# KiCad board data-center-rdimm-ddr5-tester.kicad_pcb (continued)
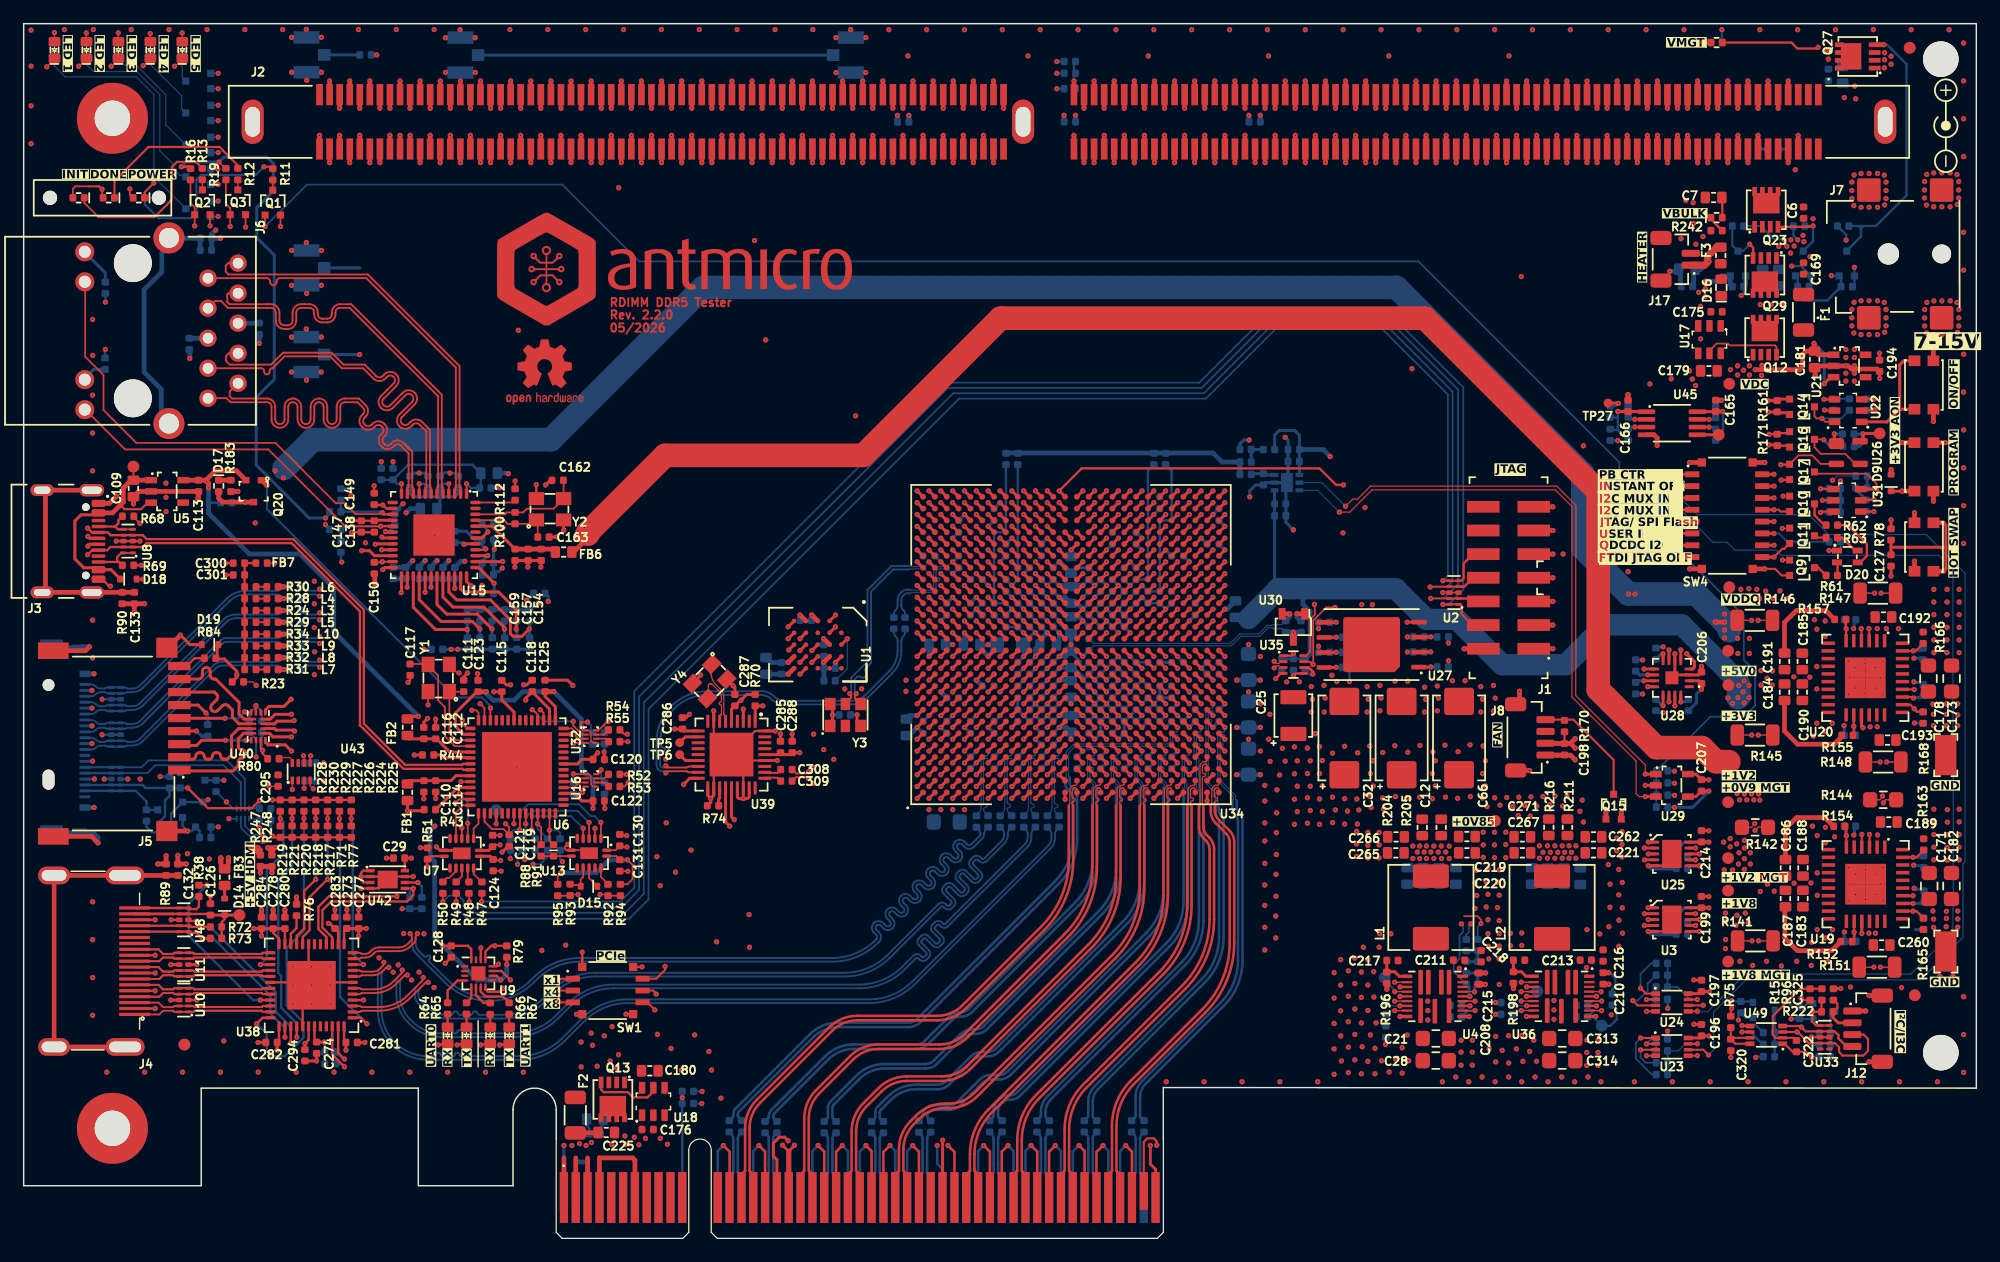
[diagram p0: board, top side]
## Routing (per net, layer and track width the routed paths; a pad name or vN(x,y) marks a point on that pad's centre or on a via; arc(x,y) is an arc through that point) (continued)
+1V2: length 148.7
  Top w0.1: 155.63,40.28 NT16.2
  Top w0.15: v1(32.4,55.05) 32.42,55.06
  Top w0.177: U15.23 31.16,57.2 v1(30.3,57.2) 30.25,57.15 29.62,57.15
  Top w0.2: 31.24,61.7 30.66,61.7 30.35,62.01 29.71,62.01 29.62,62.1
  Top w0.256: 34.43,56.04 34.43,55.14 ; U15.39 39.2,57.72 v1(39.21,57.73) ; U15.18 30.62,59.71 v1(30.58,59.76) ; 32.42,55.06 32.42,56.03
  Top w0.4: 47.68,59.53 47.68,59.24 46.52,58.08 46.52,58.03 ; 20.97,32.67 v1(20.62,33.02) 21.25,33.02 v1(21.28,33.05) 20.97,32.75 20.97,32.67 ; 20.97,32.67 R248.2
  Top w2: 144.09,40.3 143,40.3 141.81,41.49 137.96,41.49 133.05,46.4 133.05,63.15 118.4,77.8 82.55,77.8 70.95,66.2 54.2,66.2 47.68,59.68 47.68,59.53
  Bottom w0.256: v1(32.4,55.05) 32.42,55.07 32.42,55.61 32.27,55.76 ; 34.43,55.76 34.43,55.06 v1(34.42,55.05) ; 38.74,56.1 38.74,57.26 v1(39.21,57.73) ; v1(30.58,59.76) 30.85,59.76 31.36,60.27
  Bottom w0.4: 31.23,55.76 32.27,55.76 ; 33.43,55.76 34.43,55.76 ; FB4.1 32.66,61.69 v1(32.32,61.35)
  vias: v1(30.35,62) v1(46.85,59.8) v1(46.85,59.2) v1(47.4,60.1) v1(47.4,59.55) v1(47.85,60.55)
+1V2_MGTAVTT: length 22.4
  Top w0.256: U34.Y5 v1(95.5,41.2) ; U34.C7 v1(77.5,43.2) ; v1(82.5,41.2) U34.H5 ; U34.E7 v1(79.5,43.2) ; v1(100.5,43.2) U34.AE7 ; U34.P5 v1(89.5,41.2) ; U34.K5 v1(84.5,41.2) ; v1(99.5,44.2) U34.AD8 ; U34.G7 v1(81.5,43.2) ; U34.V5 v1(93.5,41.2) ; U34.AB5 v1(97.5,41.2) ; U34.F5 v1(80.5,41.2) ; U34.T5 v1(91.5,41.2) ; U34.A7 v1(75.5,43.2) ; U34.M5 v1(86.5,41.2)
  Bottom w0.256: v1(80.5,41.2) 80,40.7 C83.2 ; C310.2 80,42.7 v1(79.5,43.2) ; v1(82.5,41.2) 82,40.7 C80.2 ; C72.1 84.5,41.2 v1(84.5,41.2) ; v1(100.5,43.2) 100.5,43.2 C108.2 ; C105.2 95,40.7 v1(95.5,41.2) ; v1(99.5,44.2) 99.5,44.2 U34.AD8 ; C107.2 86,40.7 v1(86.5,41.2) ; C70.2 82,42.7 v1(81.5,43.2) ; C167.2 v1(89.5,41.2) ; C311.2 77.5,43.2 v1(77.5,43.2) ; v1(93.5,41.2) 93,40.7 C104.2 ; C312.2 75.5,43.2 v1(75.5,43.2) ; C103.1 v1(91.5,41.2) ; v1(97.5,41.2) 97,40.7 C106.2
  Bottom w0.4: C14.1 74.8,42.5 v1(75.5,43.2)
  vias: v1(143.65,33.5) v1(143.7,31.15) v1(144.2,33.8) v1(144.2,33.1) v1(144.4,31.15) v1(144.75,33.35) v1(144.95,32.6) v1(144.9,31.65) v1(145.4,33.65) v1(145.4,33) v1(145.4,32.1) v1(145.4,31.2) v1(145.9,32.6) v1(145.9,31.65)
+1V8: length 137.9
  Top w0.1: 40.31,31.97 40.31,31.95 v1(40.31,31.95) ; R23.2 19.35,47.05 v1(19.65,46.75) ; U43.3 v1(23.7,38.05) ; R19.1 17.04,90.46 ; NT9.2 144.83,25.15 144.83,25.15 ; 16.65,91 v1(16.5,91)
  Top w0.114: 17.04,90.46 v1(16.5,91)
  Top w0.15: 39.67,31.97 40.31,31.97 ; 36.42,54.96 v1(36.42,54.95)
  Top w0.177: U40.15 20.03,41.42 v1(20.2,41.25) 20.2,40.97 R80.2
  Top w0.182: 34.12,33.02 33.54,33.02 v1(33.53,33.03) ; R15.2 150.36,20.14 v1(150.2,20.3) ; 150.86,20.2 150.92,20.14
  Top w0.2: 29.62,60.68 v1(27.69,60.68) ; 38.1,58.21 38.96,58.21 v1(39.04,58.29)
  Top w0.256: U34.AD12 v1(99.5,48.2) ; U34.C20 v1(77.5,57.2) ; U34.M18 v1(86.5,55.2) ; U27.8 110.89,48.27 v1(110.9,48.28) ; v1(13.33,90.6) 13.95,90.6 R16.1 ; U34.P18 v1(89.5,55.2) ; U34.N14 v1(87.5,51.2) ; U34.G18 v1(81.5,55.2) ; 29.62,60.68 29.66,60.71 U15.16 ; U34.AA11 v1(96.5,47.2) ; U34.Y9 v1(95.5,45.2) ; U34.N18 v1(87.5,55.2) ; 39.67,32.03 39.4,32.31 38.52,32.31 ; U34.D17 v1(78.5,54.2) ; 36.42,56.03 36.42,54.96 ; U34.R18 v1(90.5,55.2) ; U34.T18 v1(91.5,55.2)
  Top w0.4: v1(121.72,49.85) J1.2 ; U30.1 107.6,52.8 v1(107.59,52.81) ; 65.1,49.2 v1(64.6,48.7) ; U1.B4 v1(67.6,48.7) ; U1.D1 v1(65.6,52.7)
  In2.Cu w0.256: v1(150.2,20.3) 149.13,21.38 145.7,21.38 143.8,23.27 v1(143.8,24.5)
  In6.Cu w0.4: v1(134.69,67.46) 134.69,62.47 v1(130.08,57.86)
  Bottom w0.1: v1(23.7,38.05) 23.7,38.63 C296.2 ; 40.47,60.1 v1(40.5,60.1)
  Bottom w0.182: v1(20.2,41.25) 20.12,41.32 C298.2 ; 111.43,48.27 111.43,48.4 112.4,49.37 112.4,49.55
  Bottom w0.198: v1(134.69,67.46) 134.69,67.45 134.06,67.45
  Bottom w0.2: v1(25.5,60.35) 25.5,60.28 25.84,59.94 ; v1(38.74,55.2) R110.2 ; v1(25.5,60.9) 25.84,61.24 25.84,61.44
  Bottom w0.201: R21.1 v1(95.5,45.2)
  Bottom w0.256: v1(91.5,55.2) 91.5,55.2 C30.2 90.5,55.2 v1(90.5,55.2) 90,55.7 C68.2 89.5,55.2 v1(89.5,55.2) ; 96.01,44.72 95.98,44.72 v1(95.5,45.2) 95.5,45.2 C18.2 ; C89.2 81,55.7 v1(81.5,55.2) ; R17.2 R21.1 96,45.7 C76.2 96,46.7 v1(96.5,47.2) ; v1(44.32,53.85) 44.32,54.26 44.05,54.53 ; 37.5,53.16 37.53,53.13 42.75,53.13 43.31,53.7 v1(43.5,53.7) ; v1(87.5,55.2) 87.5,55.2 87,55.7 ; 40.47,60.1 40.12,60.45 39.71,60.45 ; v1(77.5,57.2) 77,57.7 C87.2 ; R14.2 v1(99.5,48.2) C15.2 ; v1(39.04,58.29) 38.74,58.58 38.74,59.05 38.15,59.05 37.41,59.79 36.43,59.79 ; v1(25.5,60.9) 24.13,60.9 19.65,65.38 19.65,71.1 21.17,72.62 21.17,83.12 19.7,84.6 19.7,87.15 21.1,88.55 21.1,90.87 20.57,91.4 16.9,91.4 v1(16.5,91) 13.72,91 v1(13.33,90.6) ; C77.2 86.5,55.2 v1(86.5,55.2) 86.5,55.2 C27.2 ; 111.43,48.27 111.42,48.28 v1(110.9,48.28) ; v1(87.5,51.2) 87.5,51.2 C81.2 ; v1(36.42,54.95) 36.43,54.96 36.43,55.76 ; C91.2 78.5,54.2 v1(78.5,54.2) ; 120.4,50.85 v1(120.4,50.33) ; 120.4,48.31 v1(120.4,48.83) ; 34.44,49.8 v1(33.82,49.8)
  Bottom w0.4: R1.1 67.6,48.22 67.6,49.22 ; v1(87.5,55.2) 88.4,55.2 C11.1 88.6,55.2 v1(89.5,55.2) ; C204.2 107.89,52.21 107.59,52.51 v1(107.59,52.81) ; 67.62,48.2 67.62,47.15 ; C1.1 63.14,48.68 64.03,48.68 64.05,48.7 v1(64.6,48.7) ; v1(78.5,50.2) C73.1 ; 35.43,55.76 36.43,55.76 ; 65.62,52.26 65.6,52.28 v1(65.6,52.7) ; v1(87.5,51.2) 87.5,50.45 87.22,50.17
  vias: v1(143.8,27.51) v1(143.8,26.78) v1(143.81,25.26) v1(144.7,26.47) v1(144.78,27.32) v1(145.47,27.5) v1(145.74,26.69)
+1V8_MGTVCCAUX: length 4.2
  Top w0.1: R151.2 155.11,22.92 NT12.2
  Top w0.256: U34.U7 v1(92.5,43.2) ; U34.R7 v1(90.5,43.2)
  Bottom w0.256: C96.2 90,42.7 v1(90.5,43.2) ; v1(92.5,43.2) C97.1
  Bottom w0.4: v1(88.5,45.2) C31.1
  vias: v1(145.03,23.42) v1(146.1,23.07) v1(147.28,23.42) v1(148.53,23.02) v1(149.82,23.42) v1(151.05,23.07) v1(152.47,23.42)
+3V3: length 202
  Top w0.1: v1(24.25,40.8) 24.2,40.75 U43.5 ; 13.4,99.72 12.78,99.1 v1(12.75,99.1) ; v1(10.1,99.15) 10.13,99.15 10.7,99.72 ; v1(23.65,40.8) 23.7,40.75 U43.6 ; v1(21.21,57.09) FB7.1 ; R145.2 144.8,42.55 NT13.2 ; 8,99.72 8,99.7 v1(7.4,99.1)
  Top w0.15: U16.8 48.56,39.24 48.79,39.48 v1(48.79,39.62) ; v1(4.65,99.1) 4.68,99.1 5.31,99.72 ; 5.48,88.94 4.36,88.94 4.16,88.74 4.16,88.02 4.09,87.95 ; 6.64,87.97 v1(6.64,88.69) ; v1(1.95,99.05) 2.61,99.7 2.61,99.72 ; v1(49.4,43.7) 49.31,43.7 48.56,42.94 U32.8 ; 8.97,88.7 8.97,88.25 D1.2
  Top w0.182: U35.1 107.09,49.26 107.29,49.46 ; v1(151.15,19.17) 151.17,19.15 R222.2 ; R222.2 151.92,20.11 R96.2 ; R222.2 151.15,19.15 151.15,18.3 151.45,18 U33.1 U33.10 ; v1(6.64,88.69) 6.39,88.94 5.48,88.94 ; v1(8.97,88.72) 8.97,88.72 8.97,88.7 ; v1(144.32,19.45) 144.25,19.38 R75.2
  Top w0.201: v1(21.03,37.07) R225.2 ; v1(32.77,32.15) C29.1 U42.8 ; C273.1 27.08,25.97 U38.13 ; C274.1 24.58,16.77 U38.43
  Top w0.256: v1(28.96,26.2) C277.2 ; C277.2 C273.1 ; C277.2 v1(28.31,25.57) ; R70.2 61.09,45.98 60.62,45.51 v1(60.62,45.5) 60.58,45.5 C287.1 59.81,44.73 U39.5 ; Y3.6 68.35,44.97 v1(68.35,44.25) 68.35,43.53 Y3.1 ; v1(55.02,43.07) C286.1 55.84,42.9 U39.10 ; v1(157.79,60.73) 157.79,60 ; U34.Y14 v1(95.5,51.2) ; 13.16,42.89 13.18,42.9 v1(14.6,42.9) ; U34.H10 v1(82.5,46.2) ; U39.32 64.78,40.9 C288.2 v1(65.58,41.07) ; v1(98.5,52.2) U34.AC15 ; U34.E9 v1(79.5,45.2) ; U45.8 142.97,69.89 C165.1 v1(143.55,69.9) ; D20.1 152.55,58.15 v1(152.55,58.15) ; v1(25.41,16.59) C274.1 ; U34.E14 v1(79.5,51.2) ; U34.H15 v1(82.5,52.2)
  In2.Cu w0.256: 151.08,19.1 v1(151.15,19.17)
  In6.Cu w0.256: 144.32,21.1 144.32,20.45 144.38,20.4 146.61,20.4 147.83,19.17 151.15,19.17 v1(151.15,19.17)
  In6.Cu w0.4: 144.32,19.9 144.32,20.85 ; 144.32,19.9 144.32,19.92 144.8,20.4 144.35,20.85 144.32,20.85 ; 144.32,19.9 144.32,16.07 142.75,14.5 141.05,14.5 138.93,16.62 v1(138.93,19.45) ; 144.32,20.85 144.32,24.53 146.26,26.47 146.26,27.61 143.12,30.75 143.12,44.82 v1(144,45.7)
  Bottom w0.1: C297.2 23.72,40.73 v1(23.65,40.8)
  Bottom w0.15: v1(49.4,43.7) 49.08,43.38 C236.2 ; 49.08,38.53 48.79,38.82 v1(48.79,39.62) ; U44.5 17.69,36.34 R86.2 ; v1(152.55,58.15) 153.35,58.15 153.52,58.32 R87.2 ; U44.1 19.8,35.48 C82.1 v1(19.93,34.71)
  Bottom w0.177: 138.91,20.2 138.91,19.47 v1(138.93,19.45) ; v1(57.3,11.4) 56.61,11.4 ; 138.91,16.85 v1(138.91,17.52)
  Bottom w0.182: v1(144.32,20.1) 144.4,20.03 146.04,20.03 Q22.2 ; C16.2 82,46.7 ; R39.1 R20.1
  Bottom w0.198: 142.97,67.46 143.59,68.08 143.59,69.86 v1(143.55,69.9) 143.4,69.9 142.97,70.33 ; R244.2 154,84.86 v1(154,84.4) ; R25.2 v1(87.3,99.5)
  Bottom w0.2: v1(6.9,75.15) 6.9,75.15 6.87,75.15 6.87,74.44 ; v1(6.91,79.16) 6.91,79.84
  Bottom w0.201: v1(25.41,16.59) 25.44,16.56 R236.2 ; R239.2 R234.2 v1(31.98,27.87)
  Bottom w0.256: v1(82.5,52.2) 82.5,52.2 C23.2 ; C164.2 v1(68.35,44.25) ; v1(14.6,42.9) 15.03,42.47 15.55,42.47 ; v1(98.5,52.2) 98.5,52.2 C95.2 ; C17.2 79,45.7 ; 105.97,54.92 105.7,55.2 C329.2 C328.2 U12.4
  Bottom w0.4: 108.1,54.92 108.1,53.6 108.7,53 108.7,49.41 R20.1 ; 40.22,64.69 40.91,64.69 v1(40.95,64.65) ; C22.1 79.5,50.27 v1(79.5,51.2) ; 107.29,49.46 C223.2
  Bottom w1.8: 103.5,52.4 105.97,54.88 105.97,54.92 115.94,54.92 118.53,52.33 121.11,52.33 124.94,48.5 130.3,48.5 133.68,51.88 140.1,51.88 144.85,47.12 v1(144.85,45.72)
  Bottom w2: v1(144.85,45.72) 144.93,45.81 144.93,46.79
  vias: v1(13.84,32.52) v1(15.7,32.07) v1(16.91,16.69) v1(17.13,36.9) v1(19.56,60.49) v1(43.79,24.34) v1(45.8,24.79) v1(66.75,42.62) v1(67.6,41.32) v1(68.45,40.5) v1(107.3,49.45) v1(144.4,45.22) v1(144.93,46.75) v1(145.3,46.2) v1(145.38,47.12) v1(145.38,45.27) v1(145.8,46.75) v1(145.8,45.72) v1(157.25,100.25) v1(157.25,99.65) v1(157.22,98.97) v1(157.8,99.95) v1(157.8,99.27)
+3V3_AON: length 264.1
  Top w0.15: 45.12,29.94 45.12,30.65 v1(45.37,30.9) ; 49.28,32.32 50.07,32.32 50.38,32.02 51.01,32.02 v1(51.03,32) 51.45,31.58 51.45,30.38 51.01,29.94 50.42,29.94
  Top w0.182: U22.3 155.35,70.96 v1(156.37,70.96)
  Top w0.198: U31.1 155.24,61.45 v1(156.34,61.45)
  Top w0.256: v1(142.4,37.81) 142.39,37.82 C207.1 141.31,37.35 140.62,37.35 ; v1(142.4,27.94) 142.39,27.95 C199.1 ; 141.77,27.96 141.76,27.95 U3.10 ; v1(142.42,20.85) 142.41,20.87 141.77,20.87 141.6,20.69 U24.8 ; U25.10 141.76,33.5 C214.1 142.39,33.51 v1(142.4,33.5) ; C206.1 141.54,47.14 U28.2 ; U23.8 141.6,16.94 141.77,17.12 142.41,17.12 v1(142.42,17.1) ; 156.82,74.26 156.82,74.83 v1(156.82,74.84) ; U26.4 155.42,67.65 v1(155.42,68.03) 155.45,68.05 TP19.1
  Top w0.4: v1(141.77,46.43) 141.77,46.91 C206.1
  In6.Cu w0.4: v1(141.77,46.43) 141.28,46.43 141.25,46.4 ; 142.25,32.97 142.25,31.05 141.87,30.67 141.87,27.92 ; 142.25,32.97 142.25,33.12 141.87,33.5 ; 142.25,32.97 142.25,33.35 v1(142.4,33.5) 141.87,33.5 ; 155.95,71.39 v1(156.37,70.96) 155.89,70.48 ; 155.95,71.39 155.95,70.54 155.89,70.48 ; 155.95,71.39 155.95,73.97 v1(156.82,74.84) ; 142.85,20.85 142.85,20.25 142.45,19.85 142.45,17.55 ; 142.85,20.85 v1(142.42,20.85) ; 142.85,20.85 142.85,26.6 141.87,27.58 141.87,27.92 ; 141.87,27.92 141.89,27.94 v1(142.4,27.94) ; 49.32,30.9 65.82,14.4 107.08,14.4 107.11,14.43 111.61,14.43 111.73,14.55 113.26,14.55 113.37,14.44 114.9,14.44 115.08,14.61 116.42,14.61 116.55,14.49 118.32,14.49 121.2,17.38 122.67,17.38 123.31,16.73 123.31,14.99 124.03,14.26 128.7,14.26 131.9,17.46 137.5,17.46 137.8,17.76 137.8,19.35 138.53,20.07 139.57,20.07 140.38,19.27 140.38,17.55 140.85,17.07 141.88,17.07 ; 49.32,30.9 v1(45.37,30.9) ; 49.32,30.9 50.42,32 v1(51.03,32) ; v1(155.42,68.03) 154.9,68.03 154.9,68.02 ; 153.96,66.57 153.96,66.56 141,66.56 137.77,63.33 v1(137.77,62.6) ; 153.96,66.57 154.9,67.5 154.9,68.02 ; 153.96,66.57 153.96,63.61 155.69,61.89 ; 155.89,70.48 154.9,69.49 154.9,68.02 ; 141.87,33.5 141.87,36.47 ; v1(153.52,64.05) 153.53,64.05 153.96,64.05 ; v1(156.34,61.45) 155.69,61.45 155.69,61.89 ; 141.87,37.83 141.89,37.81 v1(142.4,37.81) 142.38,37.83 141.87,37.83 ; 141.87,37.83 141.87,45.03 141.25,45.65 141.25,46.4 ; 141.87,37.83 141.87,36.47 ; 141.87,36.47 141.84,36.44 v1(139.49,36.44) ; 142.45,17.55 141.97,17.07 141.88,17.07 ; 142.45,17.55 142.45,17.13 v1(142.42,17.1) 142.4,17.07 141.88,17.07 ; 141.25,46.4 141.25,51.7 143.05,53.5 149.38,53.5 149.88,54 149.88,56.67 154.25,61.05 155.4,61.05 155.69,61.34 155.69,61.89
  Bottom w0.182: v1(156.34,61.45) 156.32,61.46 155.69,61.46 ; v1(139.49,36.44) 139.46,36.46 138.92,36.46 ; v1(156.37,70.96) 156.36,70.97
  Bottom w0.256: v1(139.49,36.44) 141.03,36.44 v1(142.4,37.81) ; R143.2 139.64,27.26 140.32,27.95 142.4,27.95 ; R173.2 141.35,45.29 141.35,46.01 v1(141.77,46.43) ; 153.52,61.4 v1(153.52,64.05) ; R210.2 139.64,32.81 140.32,33.5 v1(142.4,33.5) ; 156.36,70.97 155.72,70.97 ; 154.66,68 155.4,68 v1(155.42,68.03) 155.42,67.25 155.12,66.95 154.68,66.95
  Bottom w0.4: v1(45.37,30.9) 48.37,30.9 49.47,32 v1(51.03,32) ; v1(137.77,62.6) 138.29,62.6 138.29,61.55 138.29,61.55
+5V: length 203.6
  Top w0.1: NT14.2 144.78,52.25 144.78,52.25
  Top w0.177: 130.2,42.82 130.2,41.83
  Top w0.4: 128.53,41.86 129.54,41.86 129.55,41.85 ; 130.7,41.85 v1(131.1,41.45) ; 130.7,41.85 v1(131.1,42.25) ; 130.7,41.85 129.55,41.85 ; 130.07,41.85 129.55,41.85 ; v1(142.92,52.1) v1(143.72,52.1)
  Top w0.45: v1(17.3,32.17) 17.3,31.75 ; v1(16.66,32.17) 16.66,31.75
  In2.Cu w2: v1(136.15,54.47) 131.1,49.42 131.1,42.25
  In8.Cu w0.256: 17,32.5 17,32.47 v1(17.3,32.17) 17.22,32.25 16.74,32.25 v1(16.66,32.17) 16.67,32.17 17,32.5 ; 17,32.5 17,34.15 17.83,34.98 17.83,43.2 17.6,43.42 17.6,47.45 16.8,48.25 16.8,51.85 21.66,56.71 21.66,57.28 21.3,57.64 21.3,64.25 21.25,64.3 ; v1(21.95,64.3) 21.25,64.3 ; 21.25,64.3 v1(21.25,64.9)
  Bottom w2: 22.01,65.1 24.44,67.52 44.55,67.52 57.43,80.4 116,80.4 131.75,64.65 131.75,58.33 v1(135.6,54.47) 141.35,54.47 v1(143.72,52.1) 143.75,52.1 144.12,51.72 144.12,51.38
  vias: v1(143.72,52.78) v1(143.72,51.43) v1(143.72,50.75) v1(144.82,50.73) v1(144.85,49.45) v1(145.82,50.73) v1(145.82,49.45)
+12V: length 20.3
  Top w0.4: J10.B1 45.65,6.8 ; J10.A2 46.65,6.8 ; 48.51,8.91 48.5,8.92 46.75,8.92 46.61,9.06 ; J10.A3 47.65,6.8
  Bottom w0.201: 47.79,8.82 47.79,9.31 47.57,9.52 C224.2
  Bottom w0.4: J10.A3 47.65,6.45 46.7,6.45 46.65,6.4 J10.A2
  vias: v1(46.32,7.85) v1(46.97,8) v1(47.52,7.85) v1(47.97,8.1)
/DDR5 RDIMM/VIN_BULK: length 1.7
  Top w0.201: C7.2 143.53,87.97 143.53,86.3
  vias: v1(149.7,90.35)
/DDR5 RDIMM/VIN_MGMT: length 8.3
  Top w0.201: v1(151.62,100.7) 151.53,100.6 149.88,100.6 149.38,101.1 143.53,101.1
  vias: v1(152.38,100.42) v1(152.5,99.7)
/DDR5 RDIMM/VSS_DET1: length 3.6
  Top w0.38: J2.75 v1(88.75,97.85)
  Bottom w0.198: R27.1 88.75,97.33 v1(88.75,97.85) 88.75,99.37 R25.1
/Debug FTDI + VNA/VBUS: length 20.1
  Top w0.15: C109.2 9.27,64.1 TP22.1
  Top w0.182: 8.22,62.05 8.22,61.95 8.52,61.65 9.92,61.65 10.48,62.2 U5.3
  Top w0.256: D18.1 8.14,55.77 7.37,56.54 6.33,56.54 6.16,56.7 5.08,56.7 4.32,57.45 4.32,60.65 4.85,61.17 6.16,61.17 J3.A4
  Top w0.4: 6.66,61.33 7.51,61.33 8.42,62.25 8.42,63.45 9.07,64.1 C109.2 10.77,64.1 U5.1
/Ethernet/AVDDH: length 14.4
  Top w0.15: 37.43,62.89 v1(37.43,63.79) ; 31.93,62.89 v1(31.93,63.79)
  Bottom w0.2: v1(37.43,63.79) 37.77,63.44 38.53,63.44 38.62,63.54 FB5.2 37.9,65.41 32.49,65.41 31.21,64.13 ; 30.21,64.13 31.21,64.13 ; 31.21,64.13 31.55,63.79 v1(31.93,63.79)
/Ethernet/AVDDL: length 11.6
  Top w0.15: 35.93,62.89 v1(35.93,63.79) ; 33.43,62.89 v1(33.43,63.79)
  Bottom w0.2: 34.15,63.48 33.84,63.79 v1(33.43,63.79) ; 35.19,63.48 35.5,63.79 v1(35.93,63.79)
  Bottom w0.256: 35.22,62.7 36.42,62.7 36.72,63 36.72,63.47 ; 35.22,62.7 35.02,62.7 ; 35.22,62.7 35.19,62.74 35.19,63.48 ; 34.16,63.48 34.16,62.74 34.12,62.7 ; 35.1,61.69 35.17,61.77 35.17,62.7 35.02,62.7 ; 32.62,63.48 32.62,63 32.92,62.7 34.12,62.7 ; 35.02,62.7 34.12,62.7
/Ethernet/AVDDL_PLL: length 7.7
  Top w0.2: FB6.2 44.68,58.28
  Top w0.256: 41.53,58.34 41.45,58.34 39.58,60.21 38.11,60.21 38.1,60.21
  Top w0.4: 41.53,58.28 44.68,58.28
/HDMI + SD Card/VCCB: length 2.3
  Bottom w0.177: C299.2 19.65,42.19 v1(19.65,40.7)
/Supply/12V_aux:
  vias: v1(154.48,78.54) v1(154.48,77.83) v1(154.48,77.15) v1(154.67,79.14) v1(154.65,76.55) v1(155.26,79.27) v1(155.26,76.41) v1(155.94,79.27) v1(155.94,76.41) v1(156.65,79.27) v1(156.65,76.41) v1(157.22,79.13) v1(157.25,76.61) v1(157.37,78.54) v1(157.37,77.83) v1(157.37,77.15) v1(160.63,78.53) v1(160.63,77.82) v1(160.63,77.14) v1(160.82,79.13) v1(160.8,76.54) v1(161.41,79.26) v1(161.41,76.4) v1(162.09,79.26) v1(162.09,76.4) v1(162.8,79.26) v1(162.8,76.4) v1(163.37,79.12) v1(163.4,76.6) v1(163.52,78.53) v1(163.52,77.82) v1(163.52,77.14)
/Supply/DC-DC AUX, MGT/1V8_local: length 9
  Top w0.1: NT1.2 147.82,25.15 R141.1
  Top w0.4: C187.2 148.82,27.98 148.82,25.38 149.87,24.32 152.77,24.32 153.53,25.09
/Supply/DC-DC AUX, MGT/1V8_SEN_+: length 12
  Top w0.256: v1(137.28,27.95) 137.28,27.95 U3.1
  In4.Cu w0.1: v1(146.6,25.15) 146.42,25.33 146.42,25.62 146.09,25.95 143.51,25.95 142.56,25 141.39,25 138.69,27.7 137.53,27.7 v1(137.28,27.95)
/Supply/DC-DC AUX, MGT/1V8_SEN_-: length 12.2
  Top w0.256: U3.2 v1(136.95,27.45)
  In4.Cu w0.1: v1(136.95,27.45) 137.36,27.45 137.41,27.5 138.61,27.5 141.31,24.8 142.64,24.8 143.59,25.75 146.01,25.75 146.22,25.54 146.22,25.33 v1(146.05,25.15)
/Supply/DC-DC IO/1V2_local: length 0.8
  Top w0.1: R148.1 NT8.2
/Supply/DC-DC IO/1V2_SEN_+: length 30.5
  In4.Cu w0.1: v1(157.42,40.28) 157.25,40.1 157.25,39.71 156.79,39.25 140.97,39.25 135.25,44.97 135.25,47.59 136.34,48.68 136.58,48.68 v1(136.8,48.9)
  Bottom w0.256: R214.2 136.78,48.92 v1(136.8,48.9)
/Supply/DC-DC IO/1V2_SEN_-: length 30
  Top w0.256: v1(136.92,48.14) 136.92,48.14 U28.9
  In4.Cu w0.1: v1(136.92,48.14) 136.58,48.48 136.42,48.48 135.45,47.51 135.45,45.05 141.05,39.45 156.71,39.45 157.05,39.79 157.05,40.1 v1(156.87,40.28)
/Supply/DC-DC IO/3V3_local: length 9.1
  Top w0.1: NT5.2 147.8,42.55 R145.1
  Top w0.4: C184.2 148.79,42.88 149.89,41.78 152.99,41.78 153.62,42.41 153.62,42.53
/Supply/DC-DC IO/3V3_SEN_+: length 13.8
  In4.Cu w0.1: v1(146.57,42.55) 146.39,42.38 146.39,42.05 145.59,41.25 140.66,41.25 137.4,44.51 137.4,45.81 137.21,46 136.82,46 v1(136.8,46.02)
  Bottom w0.256: R209.2 136.78,46.04 v1(136.8,46.02)
/Supply/DC-DC IO/3V3_SEN_-: length 13.4
  Top w0.256: v1(137.24,46.64) 137.24,46.64 U28.12
  In4.Cu w0.1: v1(137.24,46.64) 137.3,46.58 137.3,46.19 137.6,45.89 137.6,44.59 140.74,41.45 145.51,41.45 146.19,42.13 146.19,42.38 v1(146.02,42.55)
/Supply/DC-DC IO/5V_local: length 8.3
  Top w0.1: NT6.2 147.78,52.25 147.78,52.25
  Top w0.4: 153.02,52.33 152.27,53.08 149.79,53.08 148.79,52.08 C191.2
/Supply/DC-DC IO/5V_SEN_+: length 15.1
  In4.Cu w0.1: v1(146.56,52.25) 146.39,52.08 146.39,51.43 146.92,50.89 146.92,49.31 141.31,43.7 139.92,43.7 138.97,44.65 138.75,44.65 v1(138.55,44.45)
  Bottom w0.256: R212.2 138.09,44.45 v1(138.55,44.45)
/Supply/DC-DC IO/5V_SEN_-: length 14.6
  Top w0.256: v1(139.03,45.35) 139.03,45.36 U28.14
  In4.Cu w0.1: v1(146.01,52.25) 146.19,52.08 146.19,51.35 146.72,50.81 146.72,49.39 141.23,43.9 140,43.9 139.03,44.87 v1(139.03,45.35)
/Supply/DC-DC IO/VDDQ_local: length 0.8
  Top w0.1: R147.1 158.17,54.55 NT7.2
/Supply/DC-DC IO/VDDQ_SEN_+: length 22.1
  Top w0.1: NT7.1 156.95,54.55 v1(156.95,54.55)
  In4.Cu w0.1: v1(138.54,50.01) 138.66,50.01 138.8,50.15 138.8,50.24 144.06,55.5 156.29,55.5 156.78,55.02 156.78,54.73 v1(156.95,54.55)
  Bottom w0.256: R213.2 138.02,50.01 v1(138.54,50.01)
/Supply/DC-DC IO/VDDQ_SEN_-: length 21.8
  Top w0.1: NT15.1 156.4,54.55 v1(156.4,54.55)
  Top w0.256: U28.7 v1(139.03,49.75)
  In4.Cu w0.1: v1(139.03,49.75) 139,49.78 139,50.16 144.14,55.3 156.21,55.3 156.58,54.93 156.58,54.73 v1(156.4,54.55)
/Supply/DC-DC VCCINT/0V85_REG0: length 3.3
  Top w0.15: 121.71,27.24 122.84,27.24 123.13,26.94 v1(123.13,26.61)
  Bottom w0.15: 122.86,25.26 122.86,26.34 v1(123.13,26.61)
  vias: v1(117.38,33.16) v1(117.39,32.11) v1(117.76,32.66) v1(117.96,33.16) v1(117.96,32.11) v1(118.34,32.66) v1(118.54,33.16) v1(118.54,32.11) v1(118.91,32.66) v1(119.16,33.16) v1(119.16,32.11) v1(119.53,32.66) v1(119.78,33.16) v1(119.81,32.11) v1(120.16,32.66) v1(120.46,33.16) v1(120.46,32.11)
/Supply/DC-DC VCCINT/0V85_REG1:
  vias: v1(128.09,33.19) v1(128.09,32.14) v1(128.39,32.64) v1(128.76,33.19) v1(128.76,32.14) v1(129.01,32.64) v1(129.38,33.19) v1(129.38,32.14) v1(129.63,32.64) v1(130.01,33.19) v1(130.01,32.14) v1(130.21,32.64) v1(130.58,33.19) v1(130.58,32.14) v1(130.78,32.64) v1(131.16,33.19) v1(131.16,32.14)
GND: length 1084
  Top w0.1: v1(20.75,38.2) 20.77,38.22 C295.1 ; 50.9,18.95 v1(50.9,18.95) ; U43.1 v1(22.7,37.95) ; U4.17 v1(122.14,18.75)
  Top w0.15: 36.05,48.6 36.05,48.4 36.65,47.8 v1(36.8,47.8) ; v1(18.75,85.5) Q3.2 ; U13.15 47.53,32.82 U13.7 45.86,32.82 45.72,32.95 45.72,33.1 45.92,33.3 v1(45.97,33.3) ; U32.4 46.47,41.89 v1(46.45,41.87) ; 39.7,31.07 40.33,31.07 v1(40.35,31.05) ; U13.3 v1(48.28,34.67) ; v1(50.95,34.05) 50.93,34.07 50.3,34.07 ; 45.64,42.62 46.24,42.62 ; U16.4 47.34,38.19 47.21,38.06 v1(47.21,37.7) ; v1(21.7,85.55) 21.7,86.21 ; v1(15.75,85.6) Q2.2 ; v1(43.66,44.69) 43.93,44.42 43.93,43.8 ; v1(9.82,60.45) 9.31,60.97 9.31,61.05 ; U6.10 v1(36.94,38.62) ; U2.3 U2.8 v1(119.92,54.6) ; v1(51.05,31.03) 51.03,31.05 50.4,31.05 ; U6.21 41.43,35.06 v1(41.43,35.05) ; 34.17,46.23 v1(34.17,45.1) ; 49.08,36.38 v1(49.11,36.35) ; v1(40.25,34.07) 40.23,34.08 39.6,34.08
  Top w0.177: U39.37 58.31,39.4 U39.20 ; U39.37 61.81,42.9 U39.36 ; U39.37 60.81,39.9 U39.25 ; U39.37 60.31,40.4 U39.31 ; U39.37 58.31,42.4 U39.8 ; U23.4 137.14,15.44 v1(137.13,15.44) ; Q11.2 148.77,58.3 148.6,58.3 147.9,57.6 v1(147.9,57.6) ; v1(147.9,61.6) 148.3,61.6 148.45,61.45 Q10.2 ; U3.11 139.27,26.27 138.95,25.95 U3.5 ; v1(147.12,56.6) 148,56.6 148.55,56.05 Q9.2 ; v1(137.13,19.19) 137.14,19.19 U24.4
  Top w0.182: v1(151.09,15.3) 150.62,15.77 C322.2 149.48,15.77 148.8,16.45 ; v1(156.42,70.04) 155.38,70.04 U22.2 ; v1(151.09,17.03) 151.12,17 U33.3 U33.8 ; v1(19.62,45.05) 19.62,45.05 19.62,44.48 ; U8.3 U8.8 ; C320.2 v1(144.25,15.3)
  Top w0.198: 32.65,47.59 32.65,47.18 v1(32.47,47) ; v1(47.2,24.2) SW1.7 ; v1(156.34,62.45) 155.29,62.45 U31.2 ; v1(52.25,22.95) SW1.7 ; 18.09,63.14 v1(18.1,63.15)
  Top w0.2: 29.62,63.07 v1(29.62,63.63) ; 29.62,59.7 27.75,59.7 v1(27.72,59.67) ; 43.32,62.53 v1(43.32,63.73) ; 41.53,63.38 v1(41.53,64.04) ; 6.73,55.73 6.73,55.63 7.22,55.14 v1(7.33,55.14)
  Top w0.201: v1(24.33,22.97) 24.08,23.22 U38.19 ; 148.17,67.02 149.05,67.02 149.17,66.9 ; v1(22.75,21.4) 22.5,21.65 U38.30 ; 36.12,23.77 36.12,23.75 v1(35.62,23.25) ; v1(107.29,47.56) 107.49,47.76 U35.5 ; U11.3 v1(14.63,23.15) ; 9.38,23.93 11.11,23.93 ; 35.82,16.4 35.07,16.4 v1(35.02,16.35) ; 39.43,16.4 38.68,16.4 v1(38.62,16.35) ; 9.38,22.43 11.11,22.43 v1(11.11,22.43) ; v1(12.47,26.93) U48.8 ; v1(36.62,16.35) 36.68,16.4 37.43,16.4 ; 9.31,56.9 v1(9.93,56.9) ; 23.54,19.82 23.58,19.78 U38.41 ; U42.9 30.01,29.59 v1(28.51,29.59) ; U42.9 30.51,30.59 v1(28.51,30.59) ; U42.9 31.01,30.59 U42.7 v1(32.93,30.59) ; 29.31,30.09 28.71,30.09 28.51,30.29 v1(28.51,30.59) ; U9.8 39.02,21.05 39.22,20.85 40.22,20.85 v1(40.52,21.15) ; U8.3 v1(9.82,58.95) ; C29.2 v1(30.66,32.15) ; 9.38,26.93 11.11,26.93 ; 13.92,26.83 v1(14.59,26.83) ; 9.38,19.43 11.11,19.43 ; v1(28.51,30.59) 28.51,30.91 28.68,31.09 29.31,31.09 ; 41.03,16.4 40.28,16.4 v1(40.22,16.35) ; v1(17.08,56.09) C301.1 ; R77.1 R219.1 21.04,33.91 ; SW1.7 50.9,18.95 ; 149.17,64.13 148.52,64.13 v1(148.5,64.11) ; 9.38,20.93 11.11,20.93 ; C300.1 v1(17.08,57.09) ; v1(25.9,21.4) 26.15,21.65 U38.7 ; 15.78,28.3 v1(15.78,28.93) ; U8.8 v1(7.83,58.95) ; 13.92,20.15 v1(14.63,20.15)
  Top w0.22: J10.A49 95.65,5.82 95.2,6.27 v1(95.2,7.85) ; v1(91.2,7.85) 90.65,7.3 J10.B44 ; v1(75.12,7.85) 75.65,7.33 J10.B29 ; v1(85.12,7.85) 85.65,7.33 J10.B39 ; J10.B26 72.65,7.3 v1(73.2,7.85) ; J10.B21 67.65,7.33 v1(67.12,7.85) ; J10.B47 93.65,7.33 v1(93.12,7.85) ; v1(78.1,7.85) 78.65,7.3 J10.B32 ; J10.B13 59.65,7.33 v1(59.12,7.85) ; v1(64.12,7.88) 64.65,7.35 65.12,7.83 v1(65.12,7.88) ; J10.B22 68.65,7.33 v1(69.18,7.85) ; J10.B25 71.65,7.38 v1(71.18,7.85) ; J10.B36 82.65,7.33 v1(83.18,7.85) ; v1(62.12,7.85) 62.65,7.33 J10.B16 ; v1(81.12,7.85) 81.65,7.33 J10.B35 ; J10.B43 89.65,7.38 v1(89.18,7.85) ; J10.B40 86.65,7.33 v1(87.18,7.85)
  Top w0.256: U34.G2 v1(81.5,38.2) ; U39.19 57.81,37.45 v1(58.06,37.2) ; U34.J6 v1(83.5,42.2) ; v1(44.1,63.69) 44.5,64.09 44.64,64.09 ; U34.T4 v1(91.5,40.2) ; U34.N13 v1(87.5,49.2) ; U34.D5 v1(78.5,41.2) ; U34.R15 v1(90.5,52.2) ; U39.26 61.31,37.34 61.15,37.18 v1(60.81,37.18) ; U39.25 v1(60.81,37.18) ; v1(60.81,37.18) 60.44,37.18 60.31,37.31 U39.24 ; v1(153,68.03) 153,67.37 U26.1 ; U34.R3 v1(90.5,39.2) ; U34.T3 v1(91.5,39.2) ; U34.C6 v1(77.5,42.2) ; U34.AF8 v1(101.5,44.2) ; U34.D3 v1(78.5,39.2) ; U34.K8 v1(84.5,44.2) ; U34.B4 v1(76.5,40.2) ; v1(85.5,42.2) U34.L6 ; U34.G8 v1(81.5,44.2) ; U34.E6 v1(79.5,42.2) ; 42.97,47.19 42.9,47.19 42.51,46.8 v1(42.25,46.8) ; U34.W6 v1(94.5,42.2) ; U34.U6 v1(92.5,42.2) ; U34.A8 v1(75.5,44.2) ; U34.G1 v1(81.5,37.2) ; U34.AF3 v1(101.5,39.2) ; v1(141.69,78.79) 141.69,78.78 ; U34.C2 v1(77.5,38.2) ; v1(42.6,56.75) 42.62,56.77 42.62,57.31 ; 140.77,73.34 v1(140.76,73.34) ; U34.W1 v1(93.5,37.2) ; 42.62,57.31 43.72,57.31 43.72,56.77 v1(43.7,56.75) ; 42.62,57.31 41.53,57.31 ; 42.62,57.31 42.2,57.31 ; C199.2 142.39,28.91 v1(142.4,28.9) ; 33.81,37.73 33.81,37.17 v1(33.81,37.16) ; U34.L1 v1(85.5,37.2) ; U34.N20 v1(87.5,57.2) ; v1(45.03,59.31) 45.01,59.29 44.41,59.29 ; C206.2 141.54,47.64 U28.3 139.52,47.64 U28.17 139.52,47.64 U28.6 v1(139.52,49.42) ; U34.N25 v1(87.5,62.2) ; U34.T12 v1(91.5,48.2) ; U29.5 141.3,39.25 C207.2 142.39,38.78 v1(142.4,38.77) ; U34.F11 v1(80.5,47.2) ; U34.V3 v1(93.5,39.2) ; U34.V20 v1(93.5,57.2) ; U34.AA3 v1(96.5,39.2) ; U34.G6 v1(81.5,42.2) ; U34.V4 v1(93.5,40.2) ; Y3.3 70.42,43.63 v1(70.42,44.27) ; v1(41.15,46.8) 40.79,46.8 40.41,47.18 40.4,47.18 ; C286.2 55.98,44.03 v1(56.25,44.3) ; U34.AD17 v1(99.5,54.2) ; 41.53,57.31 41.96,57.31 ; 41.53,57.31 41.53,56.77 v1(41.5,56.75) ; U34.K3 v1(84.5,39.2) ; v1(26.31,27.79) C283.2 ; v1(58.06,37.2) 58.06,36.87 R74.1 ; v1(58.06,37.2) 58.31,37.45 U39.20 ; SW4.12 v1(147.9,60.6) ; U15.29 33.93,54.63 v1(33.93,54.62) ; U34.AF4 v1(101.5,40.2) ; U34.E3 v1(79.5,39.2) ; v1(34.87,33.1) 35.17,32.8 36.77,32.8 U7.15 ; U39.36 v1(63.51,42.9) ; v1(137.28,31.5) 137.28,31.5 U25.5 138.95,31.5 138.95,31.5 139.27,31.82 U25.11 ; 34.81,43.2 34.81,43.9 v1(34.81,43.9) ; U34.AA1 v1(95.5,37.2) ; v1(100.5,46.2) U34.AE10 ; U3.5 137.28,25.95 v1(137.28,25.95) ; U34.AD4 v1(99.5,41.2) U34.AD5 ; U34.B13 v1(76.5,49.2) ; 49.08,36.98 49.08,36.38 ; 34.81,37.73 v1(34.81,37.18) ; U34.N2 v1(87.5,39.2) U34.N3 ; v1(42.5,53.96) 42.51,53.96 ; v1(45.63,59.86) 45.62,59.88 Y2.2 ; U34.N17 v1(87.5,54.2) ; U34.H4 v1(82.5,40.2) ; v1(15.4,44.42) 14.74,45.08 13.16,45.08 ; U34.AB3 v1(97.5,39.2) ; v1(142.4,34.46) 142.39,34.47 C214.2 ; U34.C8 v1(77.5,44.2) ; C288.1 v1(64.94,42.65) ; U34.A5 v1(75.5,41.2) ; U34.C5 v1(77.5,41.2) ; U34.W8 v1(94.5,44.2) ; U34.K14 v1(84.5,51.2) ; U34.L2 v1(85.5,38.2) ; 44.05,47.19 44.05,47.19 45.96,47.19 v1(46.4,46.75) ; 49.08,40.48 49.08,41.09 ; 41.02,33.17 40.94,33.17 v1(40.42,32.65) ; v1(98.5,42.2) U34.AC6 ; U34.R8 v1(90.5,44.2) ; C274.2 v1(24.76,15) C294.2 ; 33.69,40.87 v1(33.01,40.87) ; U34.F21 v1(80.5,58.2) ; v1(97.5,44.2) U34.AB8 ; v1(96.5,44.2) U34.AA8 ; U34.K24 v1(84.5,61.2) ; U27.4 116.91,52.1 ; U34.A2 v1(75.5,38.2) ; U34.U8 v1(92.5,44.2) ; U34.E2 v1(79.5,38.2) ; U39.31 v1(63.67,40.4) ; U34.AC20 v1(98.5,57.2) ; Y4.2 57.2,47.6 v1(57.2,47.63) ; U34.L26 v1(85.5,63.2) ; U34.C15 v1(77.5,52.2) ; Q14.2 149.07,69.8 148.23,69.8 148.17,69.87 v1(147.41,69.87) ; U34.G13 v1(81.5,49.2) ; U34.E1 v1(79.5,37.2) ; U34.U11 v1(92.5,47.2) ; U34.N8 v1(87.5,44.2) ; U39.8 v1(58.31,44.6) ; U34.J17 v1(83.5,54.2) ; U34.B18 v1(76.5,55.2) ; U34.U17 v1(92.5,54.2) ; U34.L11 v1(85.5,47.2) ; U34.P10 v1(89.5,46.2) ; U34.AF5 v1(101.5,41.2) ; U34.P4 v1(89.5,40.2) ; U34.J8 v1(83.5,44.2) ; U34.AB13 v1(97.5,49.2) ; Y4.4 59.95,46.73 v1(59.95,46.72) 60.1,46.57 C287.2 ; U34.AF16 v1(101.5,53.2) ; 148.14,67.02 148.08,67.09 v1(147.49,67.09) ; U34.M4 v1(86.5,40.2) ; v1(98.5,45.2) U34.AC9 ; U34.W22 v1(94.5,59.2) ; U34.D22 v1(78.5,59.2) ; U34.N6 v1(87.5,42.2) ; U34.AF11 v1(101.5,47.2) ; U34.P12 v1(89.5,48.2) ; U34.R2 v1(89.5,38.2) ; U34.U15 v1(92.5,52.2) ; 141.77,21.83 141.14,21.83 v1(141.12,21.85) ; U34.Y3 v1(95.5,39.2) ; C325.1 152.94,21.12 v1(153.55,21.12) ; U34.B23 v1(76.5,60.2) ; U34.T26 v1(91.5,63.2) ; 37.18,47.19 37.18,47.48 v1(37.5,47.8) ; 33.81,43.2 33.81,43.64 v1(34.12,43.95) ; U34.K4 v1(84.5,40.2) ; U34.N15 v1(87.5,52.2) ; U34.AD3 v1(98.5,39.2) U34.AC3 ; U34.B5 v1(76.5,41.2) ; U34.L3 v1(85.5,39.2) ; U34.AC2 v1(97.5,38.2) ; U34.AA9 v1(96.5,45.2) ; U34.A11 v1(75.5,47.2) ; U34.L13 v1(85.5,49.2) ; U34.W11 v1(94.5,47.2) ; U34.M12 v1(86.5,48.2) ; U34.P3 v1(89.5,39.2) ; U34.M14 v1(86.5,51.2) ; U34.AA2 v1(95.5,38.2) ; U34.V10 v1(93.5,46.2) ; 141.77,18.08 141.14,18.08 v1(141.12,18.1) ; U34.R19 v1(90.5,56.2) ; U11.8 v1(12.43,23.15) ; 157.79,56.73 v1(157.79,56) ; U34.V14 v1(93.5,51.2) ; C277.1 v1(28.31,27.79) ; U34.P8 v1(89.5,44.2) ; U34.AC10 v1(98.5,46.2) ; D19.2 14.05,50.2 v1(13.25,51) ; U34.F8 v1(80.5,44.2) ; v1(98.5,44.2) U34.AC8 ; U34.M16 v1(86.5,53.2) ; U34.AD10 v1(99.5,46.2) ; U34.R1 v1(89.5,37.2) ; v1(96.5,42.2) U34.AA6 ; U34.T10 v1(91.5,46.2) ; v1(97.5,40.2) U34.AB4 ; U34.U18 v1(92.5,55.2) ; U34.G23 v1(81.5,60.2) ; v1(100.5,51.2) U34.AE14 ; U34.J2 v1(83.5,38.2) ; v1(156.84,72.7) 156.82,72.71 156.82,73.29 ; U34.Y19 v1(95.5,56.2) ; U34.C1 v1(77.5,37.2) ; U34.R24 v1(90.5,61.2) ; U34.L21 v1(85.5,58.2) ; U34.P16 v1(89.5,53.2) ; v1(38.35,47.75) 38.35,47.23 38.4,47.18 ; U34.B3 v1(76.5,39.2) ; U34.E19 v1(79.5,56.2) ; U34.E8 v1(79.5,44.2) ; U34.AA26 v1(96.5,63.2) ; U34.W3 v1(94.5,39.2) ; U34.AF26 v1(101.5,63.2) ; U34.V16 v1(93.5,53.2) ; U11.3 v1(14.63,23.15) ; U34.A16 v1(75.5,53.2) ; U34.N11 v1(87.5,47.2) ; U34.W2 v1(93.5,38.2) ; U34.C10 v1(77.5,46.2) ; U34.D8 v1(78.5,44.2) ; U34.P14 v1(89.5,51.2) ; U34.D12 v1(78.5,48.2) ; U29.2 v1(137.03,38.3) ; U34.U13 v1(92.5,49.2) ; U34.C25 v1(77.5,62.2) ; v1(100.5,41.2) U34.AE5 ; U34.F3 v1(80.5,39.2) ; U34.L17 v1(85.5,54.2) ; SW4.9 v1(147.9,57.6) ; U34.AE19 v1(100.5,56.2) ; U34.F16 v1(80.5,53.2) ; U34.F4 v1(80.5,40.2) ; U34.AE2 v1(100.5,39.2) ; U34.AE1 v1(100,36.99) ; U34.AE24 v1(100.5,61.2) ; U34.M23 v1(86.5,60.2) ; U34.AF9 v1(101.5,45.2) ; U34.Y8 v1(95.5,44.2) ; U34.V8 v1(93.5,44.2) ; U34.K16 v1(84.5,53.2) ; U34.V12 v1(93.5,48.2) ; U34.AB23 v1(97.5,60.2) ; v1(101.5,46.2) U34.AF10 ; U34.R11 v1(90.5,47.2) ; U34.U2 v1(91.5,38.2) ; U34.AF21 v1(101.5,58.2) ; U34.M8 v1(86.5,44.2) ; U34.L8 v1(85.5,44.2) ; U34.V25 v1(93.5,62.2) ; U34.G3 v1(81.5,39.2) ; U34.R6 v1(90.5,42.2) ; U34.AC25 v1(98.5,62.2) ; U34.AE6 v1(100.5,42.2) ; U34.J3 v1(83.5,39.2) ; U34.U1 v1(91.5,37.2) ; U34.B8 v1(76.5,44.2) ; C285.2 v1(63.95,42.66) ; U34.A6 v1(75.5,42.2) ; D18.2 10.08,55.74 v1(10.09,55.73) ; SW4.13 v1(147.9,61.6) ; v1(19.81,16.56) C282.2 ; U34.R13 v1(90.5,49.2) ; SW4.14 v1(147.9,62.6) ; U34.K19 v1(84.5,56.2) ; U34.A26 v1(75.5,63.2) ; U34.A21 v1(75.5,58.2) ; U34.M3 v1(86.5,39.2) ; C281.2 v1(28.83,16.56) ; U34.AC1 v1(97.5,37.2) ; U34.H20 v1(82.5,57.2) ; U34.N1 88,37.05 ; U34.M10 v1(86.5,46.2) ; U34.L15 v1(85.5,52.2) ; U34.F26 v1(80.5,63.2) ; U34.W17 v1(94.5,54.2) ; U34.T16 v1(91.5,53.2) ; U34.AA16 v1(96.5,53.2) ; U34.T8 v1(91.5,44.2) ; U34.A1 v1(75.5,37.2) ; U34.R17 v1(90.5,54.2) ; U34.Y4 v1(95.5,40.2) ; v1(27.31,27.79) C273.2 ; U10.8 v1(12.43,20.15) ; U34.D4 v1(78.5,40.2) ; U34.J1 v1(83.5,37.2) ; U34.H3 v1(82.5,39.2) ; U34.H8 v1(82.5,44.2) ; U34.K12 v1(84.5,48.2) ; U34.U3 v1(92.5,39.2) ; U34.T21 v1(91.5,58.2)